# KiCad board SparkFun_GNSS_LG580P_panelized.kicad_pcb (continued)
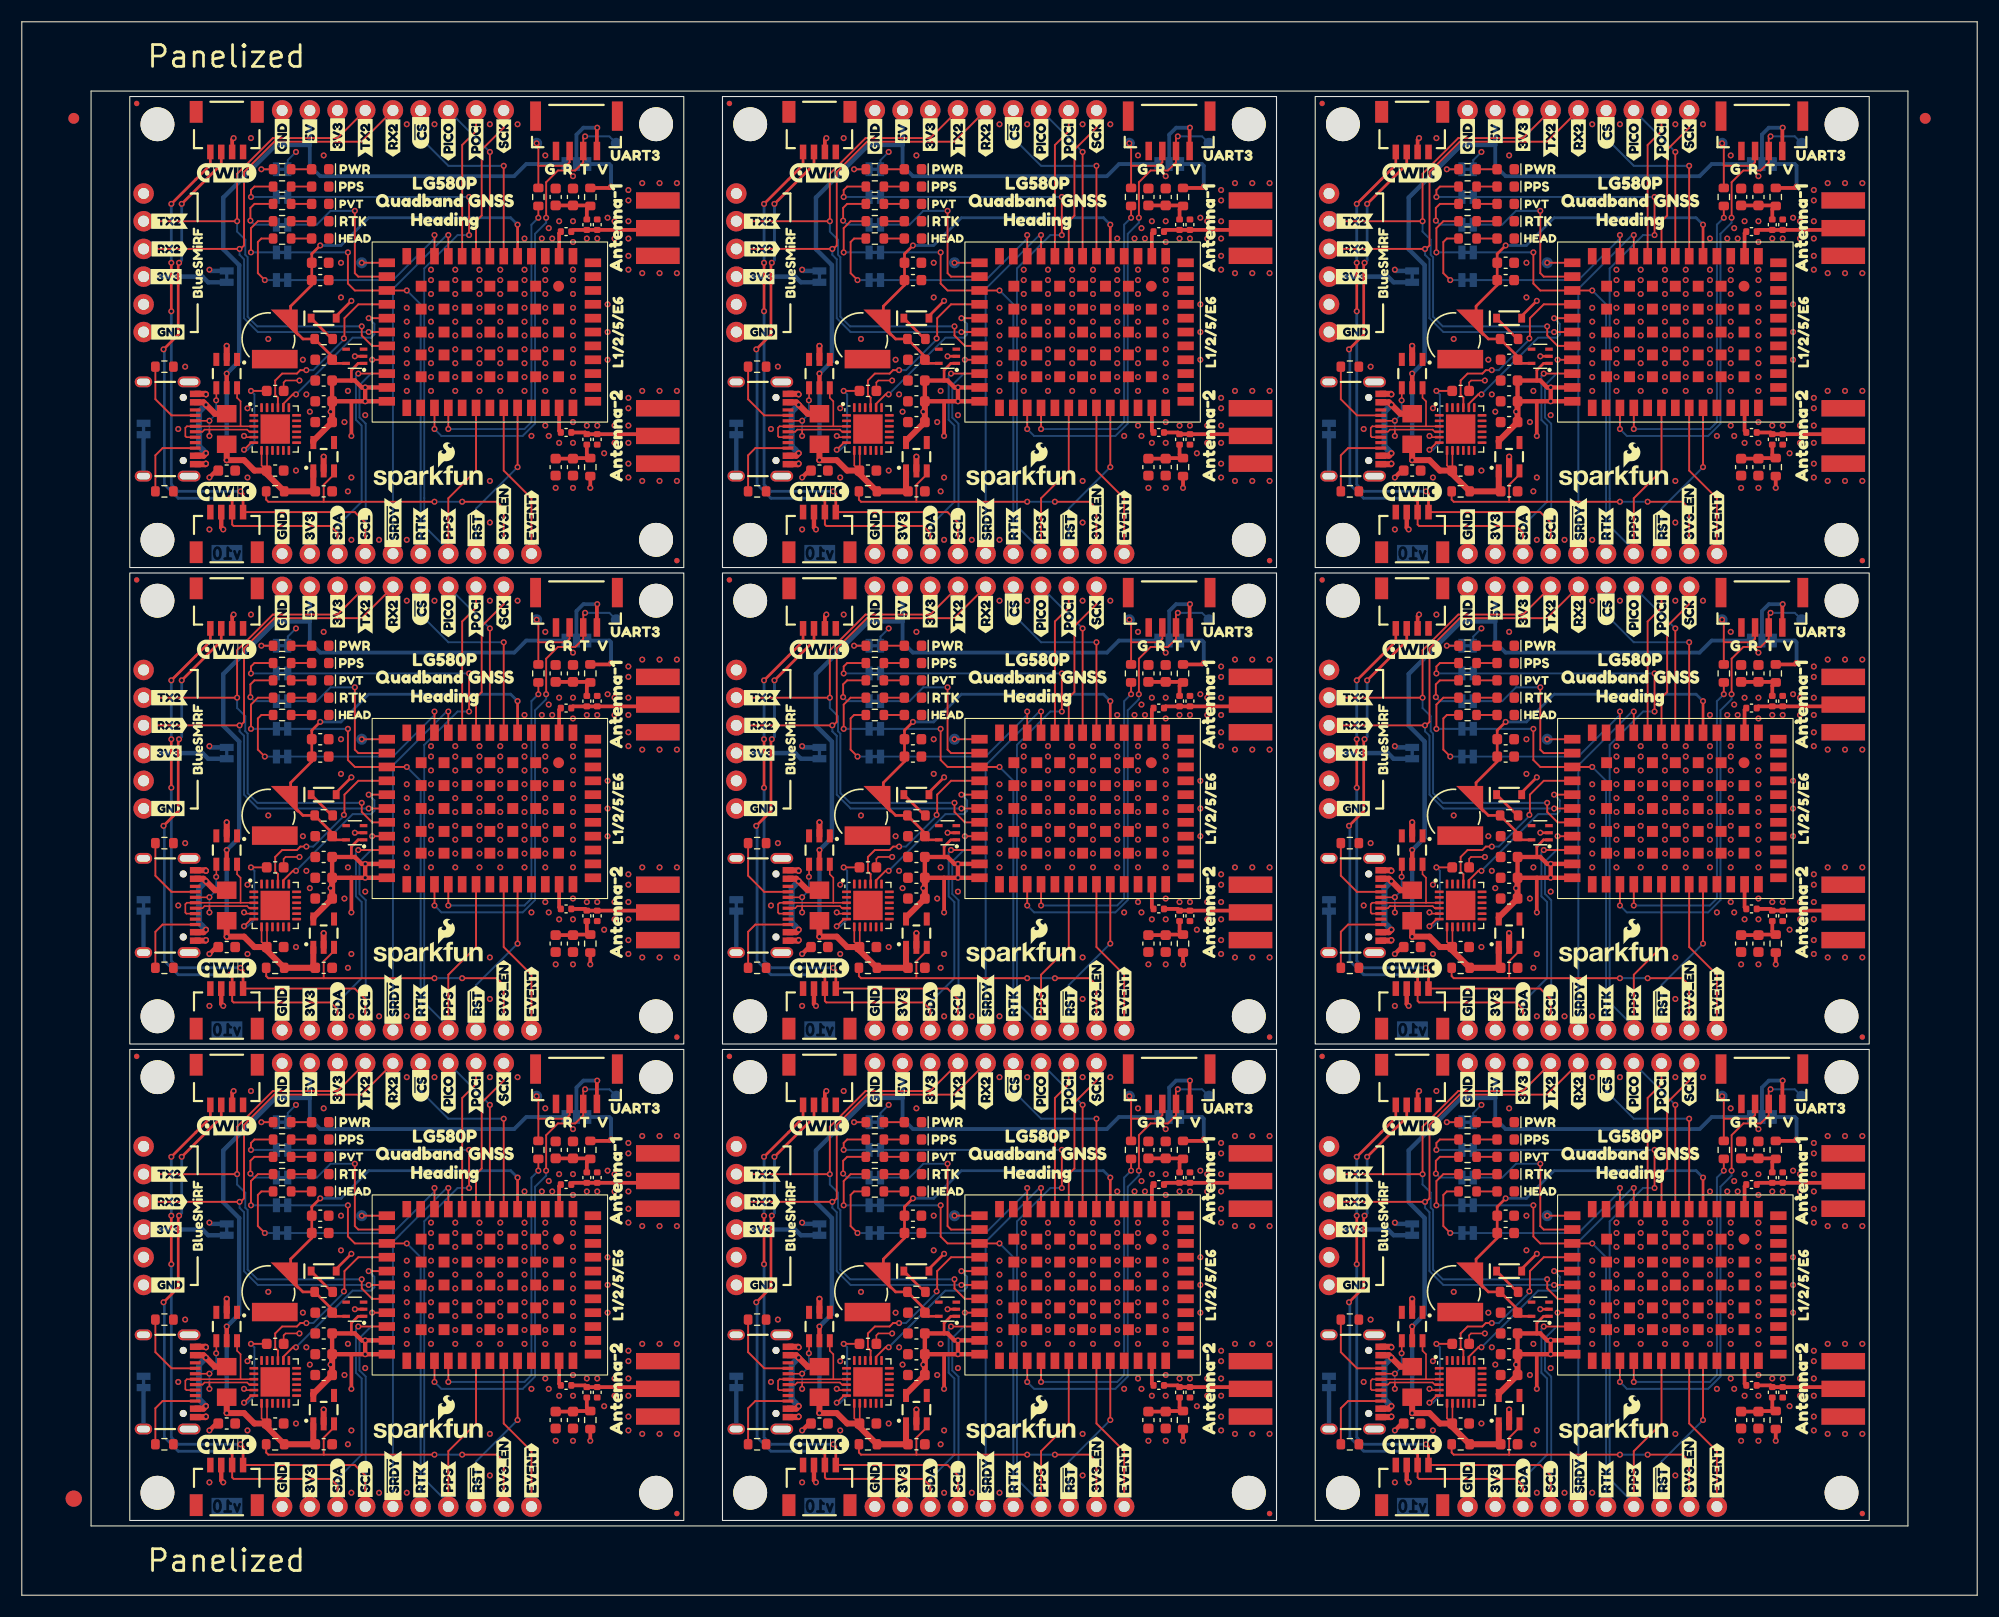
[diagram p0: board, top side]
## Routing (per net, layer and track width the routed paths; a pad name or vN(x,y) marks a point on that pad's centre or on a via; arc(x,y) is an arc through that point) (continued)
ANT_IN1: length 20.9
  Top w0.349: 157.96,122.75 157.96,124.85 C6#8.2 ; C6#5.2 103.62,124.85 103.62,122.75 ; C6.2 49.27,81.17 49.27,79.07 ; U3#9.2 49.27,37.49 C6#9.2 ; C6#4.2 49.27,124.85 49.27,122.75 ; 103.62,79.07 103.62,81.17 C6#3.2 ; 157.96,79.07 157.96,81.17 C6#7.2 ; U3#8.2 157.96,37.49 C6#6.2 ; C6#2.2 103.62,37.49 U3.2
ANT_IN2: length 20.9
  Top w0.349: C16#4.2 103.62,19.39 U3.36 ; U3#2.36 157.96,106.75 C16#7.2 ; U3#7.36 103.62,106.75 C16#5.2 ; U3#6.36 157.96,63.07 C16#8.2 ; U3#4.36 49.27,63.07 C16#2.2 ; C16#6.2 157.96,19.39 U3#8.36 ; U3#5.36 103.62,63.07 C16#3.2 ; C16.2 49.27,106.75 U3#3.36 ; U3#9.36 49.27,19.39 C16#9.2
EVENT: length 129.8
  Top w0.178: J10.6 101.08,13.2 98.54,15.74 U3.32 ; J10#3.6 46.73,56.88 44.19,59.42 44.19,65.17 ; 44.19,21.49 44.19,15.74 46.73,13.2 J10#9.6 ; J10#2.6 155.42,13.2 152.88,15.74 U3#8.32 ; U3#7.32 98.54,103.1 101.08,100.56 J10#6.6 ; J10#8.6 155.42,100.56 152.88,103.1 U3#2.32 ; J10#4.6 46.73,100.56 44.19,103.1 44.19,108.85 ; J10#5.6 101.08,56.88 98.54,59.42 U3#5.32 ; J10#7.6 155.42,56.88 152.88,59.42 U3#6.32
HEADING_STAT: length 155.6
  Top w0.178: v1(92.19,81.01) 92.19,79.07 ; v1(146.53,37.33) U3#8.11 ; v1(92.19,37.33) 92.19,35.39 ; v1(146.53,81.01) 146.53,79.07 ; v1(37.84,81.01) 37.84,79.07 ; v1(37.84,124.69) U3#3.11 ; v1(92.19,124.69) 92.19,122.75 ; v1(37.84,37.33) U3#9.11 ; v1(146.53,124.69) U3#2.11
  Bottom w0.178: JP6#2.2 142.72,76.88 146.53,80.69 v1(146.53,81.01) ; JP6#4.2 142.72,33.2 146.53,37.01 v1(146.53,37.33) ; JP6#7.2 34.03,76.88 37.84,80.69 v1(37.84,81.01) ; JP6#6.2 88.38,76.88 92.19,80.69 v1(92.19,81.01) ; v1(146.53,124.69) 146.53,124.37 142.72,120.56 JP6#3.2 ; v1(37.84,37.33) 37.84,37.01 34.03,33.2 JP6#9.2 ; JP6#8.2 34.03,120.56 37.84,124.37 v1(37.84,124.69) ; v1(92.19,37.33) 92.19,37.01 88.38,33.2 JP6#5.2 ; v1(92.19,124.69) 92.19,124.37 88.38,120.56 JP6.2
PICO: length 134.5
  Top w0.178: 42.92,79.07 v1(42.92,88.63) ; U3#9.7 v1(42.92,44.95) ; U3#2.7 v1(151.61,132.31) ; U3#3.7 v1(42.92,132.31) ; 151.61,79.07 v1(151.61,88.63) ; U3#7.7 v1(97.27,132.31) ; U3.7 v1(97.27,44.95) ; 97.27,79.07 v1(97.27,88.63) ; U3#8.7 v1(151.61,44.95)
  Bottom w0.178: v1(151.61,88.63) J6#6.3 ; v1(97.27,132.31) J6#2.3 ; v1(151.61,44.95) J6#7.3 ; v1(151.61,132.31) J6#8.3 ; v1(97.27,44.95) J6#4.3 ; v1(42.92,44.95) J6#9.3 ; v1(42.92,132.31) J6#3.3 ; v1(97.27,88.63) J6#5.3 ; v1(42.92,88.63) J6.3
POCI: length 125.1
  Top w0.178: J6#9.2 41.65,46.86 40.38,45.59 U3#9.9 ; U3#7.9 94.73,132.94 96,134.22 J6#2.2 ; J6.2 41.65,90.53 40.38,89.27 40.38,79.07 ; U3.9 94.73,45.59 96,46.86 J6#4.2 ; J6#6.2 150.34,90.53 149.07,89.27 149.07,79.07 ; J6#5.2 96,90.53 94.73,89.27 94.73,79.07 ; U3#3.9 40.38,132.94 41.65,134.22 J6#3.2 ; J6#7.2 150.34,46.86 149.07,45.59 U3#8.9 ; U3#2.9 149.07,132.94 150.34,134.22 J6#8.2
PPS: length 602.9
  Top w0.178: 93.46,51.8 93.46,56.88 96,59.42 U3#5.30 ; J10#3.3 39.11,56.88 41.65,59.42 U3#4.30 ; J10#9.3 39.11,13.2 41.65,15.74 U3#9.30 ; U3#7.30 96,103.1 93.46,100.56 93.46,95.48 ; J10#4.3 39.11,100.56 41.65,103.1 U3#3.30 ; v1(95.36,124.69) v1(95.36,128.18) ; 93.46,8.12 93.46,13.2 96,15.74 U3.30 ; J10#7.3 147.8,56.88 150.34,59.42 U3#6.30 ; v1(41.01,81.01) v1(41.01,84.5) ; v1(149.71,124.69) v1(149.71,128.18) ; U3#2.30 150.34,103.1 147.8,100.56 J10#8.3 ; v1(95.36,81.01) v1(95.36,84.5) ; v1(149.71,81.01) v1(149.71,84.5) ; J10#2.3 147.8,13.2 150.34,15.74 U3#8.30 ; v1(41.01,37.33) v1(41.01,40.82) ; v1(41.01,124.69) v1(41.01,128.18) ; v1(95.36,37.33) v1(95.36,40.82) ; v1(149.71,37.33) v1(149.71,40.82)
  Bottom w0.178: v1(149.71,81.01) 148.65,81.01 145.59,77.95 145.59,54.33 147.8,52.12 J10#7.3 ; 93.46,95.48 93.46,95.8 91.25,98.01 91.25,121.63 94.31,124.69 v1(95.36,124.69) ; v1(41.01,40.82) JP3.2 ; v1(41.01,37.33) 39.96,37.33 36.9,34.27 36.9,10.65 39.11,8.44 J10#9.3 ; 93.46,8.12 93.46,8.44 91.25,10.65 91.25,34.27 94.31,37.33 v1(95.36,37.33) ; v1(41.01,84.5) JP3#5.2 ; v1(95.36,84.5) JP3#6.2 ; v1(149.71,124.69) 148.65,124.69 145.59,121.63 145.59,98.01 147.8,95.8 J10#8.3 ; v1(149.71,40.82) JP3#3.2 ; v1(149.71,128.18) JP3#9.2 ; v1(95.36,40.82) JP3#2.2 ; v1(149.71,37.33) 148.65,37.33 145.59,34.27 145.59,10.65 147.8,8.44 J10#2.3 ; v1(149.71,84.5) JP3#8.2 ; 93.46,51.8 93.46,52.12 91.25,54.33 91.25,77.95 94.31,81.01 v1(95.36,81.01) ; v1(41.01,128.18) JP3#4.2 ; v1(41.01,124.69) 39.96,124.69 36.9,121.63 36.9,98.01 39.11,95.8 J10#4.3 ; v1(41.01,81.01) 39.96,81.01 36.9,77.95 36.9,54.33 39.11,52.12 J10#3.3 ; v1(95.36,128.18) JP3#7.2
PVT_STAT: length 139.1
  Top w0.178: 33.47,77.2 30.85,77.2 30.54,77.52 v1(30.54,83.23) ; 142.16,120.88 139.55,120.88 139.23,121.2 v1(139.23,126.91) ; v1(30.54,126.91) 30.54,121.2 30.85,120.88 33.47,120.88 ; 87.82,120.88 85.2,120.88 84.88,121.2 v1(84.88,126.91) ; v1(139.23,83.23) 139.23,77.52 139.55,77.2 U3#6.15 ; v1(84.88,39.55) 84.88,33.84 85.2,33.52 U3.15 ; v1(84.88,83.23) 84.88,77.52 85.2,77.2 U3#5.15 ; v1(30.54,39.55) 30.54,33.84 30.85,33.52 33.47,33.52 ; U3#8.15 139.55,33.52 139.23,33.84 v1(139.23,39.55)
  Bottom w0.178: v1(139.23,126.91) 137.01,126.91 135.74,125.64 JP8#8.2 ; v1(84.88,83.23) 82.66,83.23 81.39,81.96 JP8#6.2 ; JP8#7.2 27.04,81.96 28.31,83.23 v1(30.54,83.23) ; JP8#3.2 27.04,125.64 28.31,126.91 v1(30.54,126.91) ; v1(84.88,39.55) 82.66,39.55 81.39,38.28 JP8#2.2 ; v1(30.54,39.55) 28.31,39.55 27.04,38.28 JP8.2 ; JP8#5.2 135.74,81.96 137.01,83.23 v1(139.23,83.23) ; v1(139.23,39.55) 137.01,39.55 135.74,38.28 JP8#4.2 ; v1(84.88,126.91) 82.66,126.91 81.39,125.64 JP8#9.2
RTK_STAT: length 348.2
  Top w0.178: v1(138.6,79.42) 138.6,76.56 139.23,75.93 v1(143.99,75.93) ; v1(84.25,79.42) 84.25,76.56 84.88,75.93 v1(89.65,75.93) ; v1(35.3,32.25) 30.54,32.25 29.9,32.89 v1(29.9,35.74) ; v1(35.3,119.61) 30.54,119.61 29.9,120.25 v1(29.9,123.1) ; v1(143.99,32.25) U3#8.16 139.23,32.25 138.6,32.89 v1(138.6,35.74) ; v1(29.9,79.42) 29.9,76.56 30.54,75.93 v1(35.3,75.93) ; v1(143.99,119.61) U3#2.16 139.23,119.61 138.6,120.25 v1(138.6,123.1) ; v1(89.65,119.61) U3#7.16 84.88,119.61 84.25,120.25 v1(84.25,123.1) ; v1(84.25,35.74) 84.25,32.89 84.88,32.25 U3.16 v1(89.65,32.25)
  Bottom w0.178: v1(84.25,79.42) JP5#5.2 ; v1(138.6,35.74) JP5#6.2 ; J10#3.2 36.57,74.66 v1(35.3,75.93) ; v1(89.65,119.61) 90.92,118.34 J10#6.2 ; v1(35.3,119.61) 36.57,118.34 J10#4.2 ; v1(143.99,119.61) 145.26,118.34 145.26,95.48 ; v1(84.25,123.1) JP5#4.2 ; J10#9.2 36.57,30.98 v1(35.3,32.25) ; v1(138.6,79.42) JP5#3.2 ; J10.2 90.92,30.98 v1(89.65,32.25) ; 145.26,51.8 145.26,74.66 v1(143.99,75.93) ; v1(29.9,35.74) JP5#9.2 ; 145.26,8.12 145.26,30.98 v1(143.99,32.25) ; v1(29.9,123.1) JP5.2 ; v1(84.25,35.74) JP5#2.2 ; J10#5.2 90.92,74.66 v1(89.65,75.93) ; v1(29.9,79.42) JP5#7.2 ; v1(138.6,123.1) JP5#8.2
RXD1: length 151.9
  Top w0.178: v1(26.09,112.31) 25.54,112.31 25.22,111.99 23.87,111.99 23.23,111.36 23.23,110.04 23.48,109.79 U4#4.21 ; 142.16,118.34 139.55,118.34 138.28,117.07 138.28,115.27 v1(138.23,115.22) ; 33.47,30.98 30.85,30.98 29.58,29.71 29.58,27.91 v1(29.53,27.86) ; 33.47,118.34 30.85,118.34 29.58,117.07 29.58,115.27 v1(29.53,115.22) ; v1(80.44,112.31) 79.89,112.31 79.57,111.99 78.22,111.99 77.58,111.36 77.58,110.04 77.83,109.79 U4#3.21 ; U3#8.17 139.55,30.98 138.28,29.71 138.28,27.91 v1(138.23,27.86) ; U4.21 77.83,22.43 77.58,22.68 77.58,24 78.22,24.63 79.57,24.63 79.89,24.95 v1(80.44,24.95) ; U4#2.21 23.48,66.11 23.23,66.36 23.23,67.68 23.87,68.31 25.22,68.31 25.54,68.63 v1(26.09,68.63) ; v1(134.79,24.95) 134.24,24.95 133.92,24.63 132.56,24.63 131.93,24 131.93,22.68 132.18,22.43 U4#7.21 ; v1(83.88,115.22) 83.93,115.27 83.93,117.07 85.2,118.34 87.82,118.34 ; U3#6.17 139.55,74.66 138.28,73.39 138.28,71.59 v1(138.23,71.54) ; U4#8.21 132.18,109.79 131.93,110.04 131.93,111.36 132.56,111.99 133.92,111.99 134.24,112.31 v1(134.79,112.31) ; U4#5.21 77.83,66.11 77.58,66.36 77.58,67.68 78.22,68.31 79.57,68.31 79.89,68.63 v1(80.44,68.63) ; U4#6.21 132.18,66.11 131.93,66.36 131.93,67.68 132.56,68.31 133.92,68.31 134.24,68.63 v1(134.79,68.63) ; v1(26.09,24.95) 25.54,24.95 25.22,24.63 23.87,24.63 23.23,24 23.23,22.68 23.48,22.43 U4#9.21 ; v1(29.53,71.54) 29.58,71.59 29.58,73.39 30.85,74.66 33.47,74.66 ; v1(83.88,71.54) 83.93,71.59 83.93,73.39 85.2,74.66 U3#5.17 ; v1(83.88,27.86) 83.93,27.91 83.93,29.71 85.2,30.98 U3.17
  Bottom w0.178: v1(138.23,71.54) 138.28,71.48 135.42,68.63 v1(134.79,68.63) ; v1(80.44,112.31) 81.07,112.31 83.93,115.17 v1(83.88,115.22) ; v1(26.09,112.31) 26.73,112.31 29.58,115.17 v1(29.53,115.22) ; v1(134.79,112.31) 135.42,112.31 138.28,115.17 v1(138.23,115.22) ; v1(134.79,24.95) 135.42,24.95 138.28,27.81 v1(138.23,27.86) ; v1(80.44,68.63) 81.07,68.63 83.93,71.48 v1(83.88,71.54) ; v1(83.88,27.86) 83.93,27.81 81.07,24.95 v1(80.44,24.95) ; v1(29.53,27.86) 29.58,27.81 26.73,24.95 v1(26.09,24.95) ; v1(29.53,71.54) 29.58,71.48 26.73,68.63 v1(26.09,68.63)
RXD2: length 469.8
  Top w0.178: J2#9.3 20.06,36.06 20.38,36.38 20.38,43.11 23.15,45.89 31.16,45.89 J6#9.5 ; 33.47,72.12 v1(31.81,72.12) ; J2.3 74.41,36.06 74.72,36.38 74.72,43.11 77.5,45.89 85.51,45.89 J6#4.5 ; J2#7.3 128.75,79.74 129.07,80.06 129.07,86.79 131.85,89.57 139.85,89.57 J6#6.5 ; J6#5.5 85.51,89.57 77.5,89.57 74.72,86.79 74.72,80.06 74.41,79.74 J2#4.3 ; U3#6.19 v1(140.5,72.12) ; U3#2.19 v1(140.5,115.8) ; 11.17,123.42 20.06,123.42 20.38,123.74 20.38,130.47 23.15,133.25 31.16,133.25 J6#3.5 ; U3.19 v1(86.15,28.44) ; J2#3.3 20.06,79.74 20.38,80.06 20.38,86.79 23.15,89.57 31.16,89.57 J6.5 ; 119.86,123.42 128.75,123.42 129.07,123.74 129.07,130.47 131.85,133.25 139.85,133.25 J6#8.5 ; 33.47,115.8 v1(31.81,115.8) ; 65.52,123.42 74.41,123.42 74.72,123.74 74.72,130.47 77.5,133.25 85.51,133.25 J6#2.5 ; J2#6.3 128.75,36.06 129.07,36.38 129.07,43.11 131.85,45.89 139.85,45.89 J6#7.5 ; 33.47,28.44 v1(31.81,28.44) ; U3#5.19 v1(86.15,72.12) ; U3#8.19 v1(140.5,28.44) ; U3#7.19 v1(86.15,115.8)
  Bottom w0.178: v1(140.5,28.44) 130.34,28.44 129.07,29.71 129.07,35.11 128.66,35.52 v1(128.66,36.06) ; v1(86.15,28.44) 75.99,28.44 74.72,29.71 74.72,35.11 74.32,35.52 v1(74.32,36.06) ; v1(128.66,79.74) 128.66,79.2 129.07,78.79 129.07,73.39 130.34,72.12 v1(140.5,72.12) ; v1(74.32,123.42) 74.32,122.88 74.72,122.47 74.72,117.07 75.99,115.8 v1(86.15,115.8) ; v1(74.32,79.74) 74.32,79.2 74.72,78.79 74.72,73.39 75.99,72.12 v1(86.15,72.12) ; v1(128.66,123.42) 128.66,122.88 129.07,122.47 129.07,117.07 130.34,115.8 v1(140.5,115.8) ; v1(31.81,72.12) 21.65,72.12 20.38,73.39 20.38,78.79 19.97,79.2 v1(19.97,79.74) ; v1(31.81,115.8) 21.65,115.8 20.38,117.07 20.38,122.47 19.97,122.88 v1(19.97,123.42) ; v1(31.81,28.44) 21.65,28.44 20.38,29.71 20.38,35.11 19.97,35.52 v1(19.97,36.06)
RXD3: length 269.1
  Top w0.178: U3#5.28 v1(93.46,63.23) ; U3#6.28 v1(147.8,63.23) ; R8.2 v1(101.71,82.6) ; R8#4.2 v1(156.06,126.28) ; R8#5.2 v1(101.71,38.92) ; R8#3.2 v1(47.36,82.6) ; U3#4.28 v1(39.11,63.23) ; U3#2.28 v1(147.8,106.91) ; R8#8.2 v1(156.06,82.6) ; U3#3.28 v1(39.11,106.91) ; U3#7.28 v1(93.46,106.91) ; U3#8.28 v1(147.8,19.55) ; R8#6.2 v1(101.71,126.28) ; R8#2.2 v1(47.36,126.28) ; R8#9.2 v1(47.36,38.92) ; R8#7.2 v1(156.06,38.92) ; U3.28 v1(93.46,19.55) ; U3#9.28 v1(39.11,19.55)
  Bottom w0.178: v1(93.46,63.23) 100.44,63.23 101.08,63.87 101.08,81.96 v1(101.71,82.6) ; v1(101.71,38.92) 101.08,38.28 101.08,20.19 100.44,19.55 v1(93.46,19.55) ; v1(156.06,126.28) 155.42,125.64 155.42,107.55 154.79,106.91 v1(147.8,106.91) ; v1(47.36,82.6) 46.73,81.96 46.73,63.87 46.09,63.23 v1(39.11,63.23) ; v1(147.8,63.23) 154.79,63.23 155.42,63.87 155.42,81.96 v1(156.06,82.6) ; v1(47.36,126.28) 46.73,125.64 46.73,107.55 46.09,106.91 v1(39.11,106.91) ; v1(147.8,19.55) 154.79,19.55 155.42,20.19 155.42,38.28 v1(156.06,38.92) ; v1(47.36,38.92) 46.73,38.28 46.73,20.19 46.09,19.55 v1(39.11,19.55) ; v1(101.71,126.28) 101.08,125.64 101.08,107.55 100.44,106.91 v1(93.46,106.91)
SCK: length 129.8
  Top w0.178: U3#8.8 150.34,38.6 150.87,39.12 150.87,45.15 152.88,47.17 J6#7.1 ; J6#8.1 152.88,134.53 150.87,132.51 150.87,126.48 150.34,125.96 U3#2.8 ; 96,79.07 96,82.28 96.52,82.8 96.52,88.83 98.54,90.85 J6#5.1 ; 41.65,79.07 41.65,82.28 42.17,82.8 42.17,88.83 44.19,90.85 J6.1 ; U3#3.8 41.65,125.96 42.17,126.48 42.17,132.51 44.19,134.53 J6#3.1 ; U3.8 96,38.6 96.52,39.12 96.52,45.15 98.54,47.17 J6#4.1 ; U3#7.8 96,125.96 96.52,126.48 96.52,132.51 98.54,134.53 J6#2.1 ; U3#9.8 41.65,38.6 42.17,39.12 42.17,45.15 44.19,47.17 J6#9.1 ; 150.34,79.07 150.34,82.28 150.87,82.8 150.87,88.83 152.88,90.85 J6#6.1
SCL: length 674
  Top w0.178: U3#6.21 v1(140.82,69.58) ; J4#9.4 30.54,11.93 31.49,10.98 J9#9.4 ; J9.4 140.18,10.98 139.23,11.93 J4#7.4 ; 33.47,25.9 v1(32.12,25.9) ; J9#5.4 140.18,98.34 139.23,99.29 J4#8.4 ; J4#6.4 84.88,55.61 85.84,54.66 J9#2.4 ; 87.82,113.26 v1(86.47,113.26) ; J4#2.4 30.54,55.61 31.49,54.66 J9#7.4 ; J9#8.4 31.49,98.34 30.54,99.29 J4.4 ; J9#3.4 85.84,98.34 84.88,99.29 J4#5.4 ; 33.47,69.58 v1(32.12,69.58) ; J9#6.4 140.18,54.66 139.23,55.61 J4#3.4 ; 142.16,25.9 v1(140.82,25.9) ; 87.82,25.9 v1(86.47,25.9) ; J9#4.4 85.84,10.98 84.88,11.93 J4#4.4 ; 33.47,113.26 v1(32.12,113.26) ; 142.16,113.26 v1(140.82,113.26) ; U3#5.21 v1(86.47,69.58)
  Top w0.254: J7#4.4 71.64,43.77 v1(68.06,40.19) ; J7#8.4 125.98,43.77 v1(122.4,40.19) ; v1(74.41,101.2) 74.64,100.97 J4#5.4 ; v1(68.06,78.47) v1(68.06,74.03) ; v1(68.06,34.79) v1(68.06,30.34) ; J4#7.4 128.98,13.61 v1(128.75,13.84) ; v1(13.71,34.79) v1(13.71,30.34) ; J7#6.4 125.98,87.45 v1(122.4,83.87) ; v1(122.4,127.55) 125.98,131.13 J7#7.4 ; J4#2.4 20.29,57.28 v1(20.06,57.52) ; J7#5.4 71.64,87.45 v1(68.06,83.87) ; v1(122.4,34.79) v1(122.4,30.34) ; v1(13.71,83.87) 17.29,87.45 J7#2.4 ; J4#9.4 20.29,13.61 v1(20.06,13.84) ; J4.4 20.29,100.97 v1(20.06,101.2) ; J4#3.4 128.98,57.28 v1(128.75,57.52) ; v1(128.75,101.2) 128.98,100.97 J4#8.4 ; J7#9.4 17.29,43.77 v1(13.71,40.19) ; J4#4.4 74.64,13.61 v1(74.41,13.84) ; v1(13.71,78.47) v1(13.71,74.03) ; J7.4 17.29,131.13 v1(13.71,127.55) ; v1(13.71,122.15) v1(13.71,117.7) ; v1(74.41,57.52) 74.64,57.28 J4#6.4 ; v1(68.06,122.15) v1(68.06,117.7) ; v1(122.4,122.15) v1(122.4,117.7) ; v1(68.06,127.55) 71.64,131.13 J7#3.4 ; v1(122.4,78.47) v1(122.4,74.03)
  Bottom w0.178: J9#6.4 140.23,51.85 140.23,63.72 139.66,64.28 139.66,67.26 140.82,68.41 v1(140.82,69.58) ; J9#3.4 85.88,95.53 85.88,107.4 85.31,107.96 85.31,110.94 86.47,112.09 v1(86.47,113.26) ; J9#4.4 85.88,8.17 85.88,20.04 85.31,20.6 85.31,23.58 86.47,24.73 v1(86.47,25.9) ; J9#7.4 31.54,51.85 31.54,63.72 30.97,64.28 30.97,67.26 32.12,68.41 v1(32.12,69.58) ; v1(140.82,113.26) 140.82,112.09 139.66,110.94 139.66,107.96 140.23,107.4 140.23,95.53 J9#5.4 ; J9#8.4 31.54,95.53 31.54,107.4 30.97,107.96 30.97,110.94 32.12,112.09 v1(32.12,113.26) ; v1(140.82,25.9) 140.82,24.73 139.66,23.58 139.66,20.6 140.23,20.04 140.23,8.17 J9.4 ; J9#9.4 31.54,8.17 31.54,20.04 30.97,20.6 30.97,23.58 32.12,24.73 v1(32.12,25.9) ; v1(86.47,69.58) 86.47,68.41 85.31,67.26 85.31,64.28 85.88,63.72 85.88,51.85 J9#2.4
  Bottom w0.254: v1(68.06,117.7) 68.06,101.83 68.69,101.2 v1(74.41,101.2) ; v1(13.71,74.03) 13.71,58.15 14.34,57.52 v1(20.06,57.52) ; v1(20.06,101.2) 14.34,101.2 13.71,101.83 v1(13.71,117.7) ; v1(74.41,13.84) 68.69,13.84 68.06,14.47 v1(68.06,30.34) ; v1(122.4,83.87) v1(122.4,78.47) ; v1(13.71,30.34) 13.71,14.47 14.34,13.84 v1(20.06,13.84) ; v1(68.06,83.87) v1(68.06,78.47) ; v1(122.4,74.03) 122.4,58.15 123.04,57.52 v1(128.75,57.52) ; v1(68.06,74.03) 68.06,58.15 68.69,57.52 v1(74.41,57.52) ; v1(68.06,127.55) v1(68.06,122.15) ; v1(122.4,30.34) 122.4,14.47 123.04,13.84 v1(128.75,13.84) ; v1(13.71,127.55) v1(13.71,122.15) ; v1(68.06,40.19) v1(68.06,34.79) ; v1(122.4,117.7) 122.4,101.83 123.04,101.2 v1(128.75,101.2) ; v1(13.71,83.87) v1(13.71,78.47) ; v1(122.4,40.19) v1(122.4,34.79) ; v1(13.71,40.19) v1(13.71,34.79) ; v1(122.4,127.55) v1(122.4,122.15)
SDA: length 666.6
  Top w0.178: J9#8.3 28.95,97.39 28.31,98.02 19.42,98.02 19.29,98.16 J4.3 ; J4#9.3 19.29,10.8 19.42,10.66 28.31,10.66 28.95,10.03 J9#9.3 ; 33.47,24.63 v1(30.85,24.63) ; 83.3,8.12 83.3,10.03 82.66,10.66 73.77,10.66 73.64,10.8 J4#4.3 ; 33.47,68.31 v1(30.85,68.31) ; U3#8.22 v1(139.55,24.63) ; J4#5.3 73.64,98.16 73.77,98.02 82.66,98.02 83.3,97.39 83.3,95.48 ; 83.3,51.8 83.3,53.7 82.66,54.34 73.77,54.34 73.64,54.48 J4#6.3 ; U3#5.22 v1(85.2,68.31) ; U3.22 v1(85.2,24.63) ; J4#7.3 127.98,10.8 128.12,10.66 137.01,10.66 137.64,10.03 J9.3 ; J4#3.3 127.98,54.48 128.12,54.34 137.01,54.34 137.64,53.7 J9#6.3 ; J9#5.3 137.64,97.39 137.01,98.02 128.12,98.02 127.98,98.16 J4#8.3 ; J4#2.3 19.29,54.48 19.42,54.34 28.31,54.34 28.95,53.7 J9#7.3 ; U3#6.22 v1(139.55,68.31) ; U3#2.22 v1(139.55,111.99) ; 33.47,111.99 v1(30.85,111.99) ; U3#7.22 v1(85.2,111.99)
  Top w0.254: J4#2.3 19.29,56.7 v1(19.11,56.88) ; J7#9.3 18.29,43.81 v1(14.66,40.19) ; v1(127.8,56.88) 127.98,56.7 J4#3.3 ; v1(19.11,100.56) 19.29,100.38 J4.3 ; J7#3.3 72.64,131.18 v1(69.01,127.55) ; v1(69.01,83.87) 72.64,87.5 J7#5.3 ; v1(123.12,34.79) 123.04,34.79 123.04,28.2 v1(121.69,26.85) ; v1(14.42,34.79) 14.34,34.79 14.34,28.2 v1(13,26.85) ; v1(67.34,114.21) 68.69,115.56 68.69,122.15 v1(68.77,122.15) ; v1(14.66,83.87) 18.29,87.5 J7#2.3 ; v1(14.42,78.47) 14.34,78.47 14.34,71.88 v1(13,70.53) ; J4#4.3 73.64,13.02 v1(73.45,13.2) ; v1(19.11,13.2) 19.29,13.02 J4#9.3 ; v1(123.12,122.15) 123.04,122.15 123.04,115.56 v1(121.69,114.21) ; v1(73.45,100.56) 73.64,100.38 J4#5.3 ; v1(123.36,83.87) 126.98,87.5 J7#6.3 ; v1(127.8,13.2) 127.98,13.02 J4#7.3 ; J4#6.3 73.64,56.7 v1(73.45,56.88) ; v1(123.36,127.55) 126.98,131.18 J7#7.3 ; v1(68.77,34.79) 68.69,34.79 68.69,28.2 v1(67.34,26.85) ; v1(67.34,70.53) 68.69,71.88 68.69,78.47 v1(68.77,78.47) ; v1(14.42,122.15) 14.34,122.15 14.34,115.56 v1(13,114.21) ; J4#8.3 127.98,100.38 v1(127.8,100.56) ; v1(69.01,40.19) 72.64,43.81 J7#4.3 ; J7.3 18.29,131.18 v1(14.66,127.55) ; v1(123.36,40.19) 126.98,43.81 J7#8.3 ; v1(121.69,70.53) 123.04,71.88 123.04,78.47 v1(123.12,78.47)
  Bottom w0.178: v1(85.2,68.31) 84.98,68.09 84.98,64.07 85.51,63.55 85.51,56.56 83.61,54.67 83.61,54.66 83.3,54.34 83.3,51.8 ; v1(139.55,24.63) 139.33,24.41 139.33,20.39 139.85,19.87 139.85,12.88 137.96,10.99 137.96,10.98 137.64,10.66 J9.3 ; v1(139.55,111.99) 139.33,111.77 139.33,107.75 139.85,107.23 139.85,100.24 137.96,98.35 137.96,98.34 137.64,98.02 J9#5.3 ; v1(85.2,111.99) 84.98,111.77 84.98,107.75 85.51,107.23 85.51,100.24 83.61,98.35 83.61,98.34 83.3,98.02 83.3,95.48 ; J9#8.3 28.95,98.02 29.27,98.34 29.27,98.35 31.16,100.24 31.16,107.23 30.64,107.75 30.64,111.77 v1(30.85,111.99) ; J9#7.3 28.95,54.34 29.27,54.66 29.27,54.67 31.16,56.56 31.16,63.55 30.64,64.07 30.64,68.09 v1(30.85,68.31) ; v1(30.85,24.63) 30.64,24.41 30.64,20.39 31.16,19.87 31.16,12.88 29.27,10.99 29.27,10.98 28.95,10.66 J9#9.3 ; v1(139.55,68.31) 139.33,68.09 139.33,64.07 139.85,63.55 139.85,56.56 137.96,54.67 137.96,54.66 137.64,54.34 J9#6.3 ; v1(85.2,24.63) 84.98,24.41 84.98,20.39 85.51,19.87 85.51,12.88 83.61,10.99 83.61,10.98 83.3,10.66 83.3,8.12
  Bottom w0.254: v1(69.01,40.19) 69.01,35.03 v1(68.77,34.79) ; v1(73.45,56.88) 68.69,56.88 67.42,58.15 67.42,70.53 v1(67.34,70.53) ; v1(123.12,122.15) 123.36,122.39 v1(123.36,127.55) ; v1(14.42,78.47) 14.66,78.71 v1(14.66,83.87) ; v1(14.42,34.79) 14.66,35.03 v1(14.66,40.19) ; v1(69.01,127.55) 69.01,122.39 v1(68.77,122.15) ; v1(73.45,13.2) 68.69,13.2 67.42,14.47 67.42,26.85 v1(67.34,26.85) ; v1(13,70.53) 13.07,70.53 13.07,58.15 14.34,56.88 v1(19.11,56.88) ; v1(121.69,26.85) 121.77,26.85 121.77,14.47 123.04,13.2 v1(127.8,13.2) ; v1(19.11,13.2) 14.34,13.2 13.07,14.47 13.07,26.85 v1(13,26.85) ; v1(19.11,100.56) 14.34,100.56 13.07,101.83 13.07,114.21 v1(13,114.21) ; v1(68.77,78.47) 69.01,78.71 v1(69.01,83.87) ; v1(67.34,114.21) 67.42,114.21 67.42,101.83 68.69,100.56 v1(73.45,100.56) ; v1(121.69,114.21) 121.77,114.21 121.77,101.83 123.04,100.56 v1(127.8,100.56) ; v1(14.66,127.55) 14.66,122.39 v1(14.42,122.15) ; v1(121.69,70.53) 121.77,70.53 121.77,58.15 123.04,56.88 v1(127.8,56.88) ; v1(123.36,40.19) 123.36,35.03 v1(123.12,34.79) ; v1(123.36,83.87) 123.36,78.71 v1(123.12,78.47)
TXD1: length 132.2
  Top w0.178: v1(79.49,66.41) 79.2,66.41 78.33,65.54 U4#5.20 ; U4#6.20 132.68,65.54 133.55,66.41 v1(133.83,66.41) ; U4#7.20 132.68,21.86 133.55,22.73 v1(133.83,22.73) ; v1(25.14,22.73) 24.85,22.73 23.98,21.86 U4#9.20 ; 87.82,73.39 v1(86.15,73.39) ; U3.18 v1(86.15,29.71) ; 33.47,29.71 v1(31.81,29.71) ; U4#8.20 132.68,109.22 133.55,110.09 v1(133.83,110.09) ; U3#2.18 v1(140.5,117.07) ; 142.16,73.39 v1(140.5,73.39) ; U3#8.18 v1(140.5,29.71) ; 33.47,117.07 v1(31.81,117.07) ; U4.20 78.33,21.86 79.2,22.73 v1(79.49,22.73) ; U4#3.20 78.33,109.22 79.2,110.09 v1(79.49,110.09) ; 33.47,73.39 v1(31.81,73.39) ; U4#4.20 23.98,109.22 24.85,110.09 v1(25.14,110.09) ; U3#7.18 v1(86.15,117.07) ; v1(25.14,66.41) 24.85,66.41 23.98,65.54 U4#2.20
  Bottom w0.178: v1(86.15,29.71) 86.67,29.19 86.67,28.22 86.37,27.92 84.68,27.92 v1(79.49,22.73) ; v1(140.5,117.07) 141.02,116.55 141.02,115.58 140.72,115.28 139.03,115.28 v1(133.83,110.09) ; v1(79.49,66.41) 84.68,71.6 86.37,71.6 86.67,71.9 86.67,72.87 v1(86.15,73.39) ; v1(25.14,22.73) 30.33,27.92 32.02,27.92 32.33,28.22 32.33,29.19 v1(31.81,29.71) ; v1(79.49,110.09) 84.68,115.28 86.37,115.28 86.67,115.58 86.67,116.55 v1(86.15,117.07) ; v1(25.14,66.41) 30.33,71.6 32.02,71.6 32.33,71.9 32.33,72.87 v1(31.81,73.39) ; v1(31.81,117.07) 32.33,116.55 32.33,115.58 32.02,115.28 30.33,115.28 v1(25.14,110.09) ; v1(140.5,29.71) 141.02,29.19 141.02,28.22 140.72,27.92 139.03,27.92 v1(133.83,22.73) ; v1(133.83,66.41) 139.03,71.6 140.72,71.6 141.02,71.9 141.02,72.87 v1(140.5,73.39)
TXD2: length 455.3
  Top w0.178: U3#6.20 140.82,70.85 139.87,71.8 139.87,72.64 v1(139.86,72.64) ; 33.47,27.17 32.12,27.17 31.17,28.12 31.17,28.96 v1(31.17,28.96) ; J6#9.6 28.95,46.22 23.02,46.22 19.74,42.94 v1(19.74,38.6) 11.17,38.6 ; v1(85.52,72.64) 85.52,72.64 85.52,71.8 86.47,70.85 U3#5.20 ; 65.52,38.6 v1(74.09,38.6) 74.09,42.94 77.36,46.22 83.3,46.22 J6#4.6 ; v1(139.86,116.32) 139.87,116.32 139.87,115.48 140.82,114.53 U3#2.20 ; J6#5.6 83.3,89.9 77.36,89.9 74.09,86.62 v1(74.09,82.28) J2#4.2 ; 11.17,125.96 v1(19.74,125.96) 19.74,130.3 23.02,133.58 28.95,133.58 J6#3.6 ; 33.47,114.53 32.12,114.53 31.17,115.48 31.17,116.32 v1(31.17,116.32) ; U3#8.20 140.82,27.17 139.87,28.12 139.87,28.96 v1(139.86,28.96) ; v1(85.52,28.96) 85.52,28.96 85.52,28.12 86.47,27.17 U3.20 ; 119.86,38.6 v1(128.44,38.6) 128.44,42.94 131.71,46.22 137.64,46.22 J6#7.6 ; 65.52,125.96 v1(74.09,125.96) 74.09,130.3 77.36,133.58 83.3,133.58 J6#2.6 ; J6.6 28.95,89.9 23.02,89.9 19.74,86.62 v1(19.74,82.28) J2#3.2 ; 119.86,125.96 v1(128.44,125.96) 128.44,130.3 131.71,133.58 137.64,133.58 J6#8.6 ; J2#7.2 v1(128.44,82.28) 128.44,86.62 131.71,89.9 137.64,89.9 J6#6.6 ; U3#7.20 86.47,114.53 85.52,115.48 85.52,116.32 v1(85.52,116.32) ; v1(31.17,72.64) 31.17,72.64 31.17,71.8 32.12,70.85 33.47,70.85
  Bottom w0.178: v1(19.74,38.6) 19.74,37.65 20.49,36.9 20.49,35.53 20.71,35.31 20.71,29.85 21.59,28.96 v1(31.17,28.96) ; v1(128.44,82.28) 128.44,81.33 129.19,80.58 129.19,79.21 129.4,78.99 129.4,73.53 130.29,72.64 v1(139.86,72.64) ; v1(74.09,125.96) 74.09,125.01 74.84,124.26 74.84,122.89 75.05,122.67 75.05,117.21 75.94,116.32 v1(85.52,116.32) ; v1(74.09,38.6) 74.09,37.65 74.84,36.9 74.84,35.53 75.05,35.31 75.05,29.85 75.94,28.96 v1(85.52,28.96) ; v1(85.52,72.64) 75.94,72.64 75.05,73.53 75.05,78.99 74.84,79.21 74.84,80.58 74.09,81.33 v1(74.09,82.28) ; v1(31.17,116.32) 21.59,116.32 20.71,117.21 20.71,122.67 20.49,122.89 20.49,124.26 19.74,125.01 v1(19.74,125.96) ; v1(128.44,38.6) 128.44,37.65 129.19,36.9 129.19,35.53 129.4,35.31 129.4,29.85 130.29,28.96 v1(139.86,28.96) ; v1(31.17,72.64) 21.59,72.64 20.71,73.53 20.71,78.99 20.49,79.21 20.49,80.58 19.74,81.33 v1(19.74,82.28) ; v1(128.44,125.96) 128.44,125.01 129.19,124.26 129.19,122.89 129.4,122.67 129.4,117.21 130.29,116.32 v1(139.86,116.32)
TXD3: length 397.6
  Top w0.178: v1(51.65,46.38) 51.48,46.21 J8#9.2 51.48,43.99 50.74,43.25 49.15,43.25 48.08,42.17 48.08,38.92 v1(48.08,38.92) ; v1(51.65,90.06) 51.48,89.89 J8.2 51.48,87.67 50.74,86.93 49.15,86.93 48.08,85.85 48.08,82.6 v1(48.08,82.6) ; 92.19,108.85 v1(92.19,106.91) ; v1(48.08,126.28) 48.08,126.28 48.08,129.53 49.15,130.61 50.74,130.61 51.48,131.35 J8#4.2 51.48,133.57 v1(51.65,133.74) ; v1(102.42,126.28) 102.43,126.28 102.43,129.53 103.5,130.61 105.09,130.61 105.83,131.35 J8#2.2 105.83,133.57 v1(106,133.74) ; v1(102.42,38.92) 102.43,38.92 102.43,42.17 103.5,43.25 105.09,43.25 105.83,43.99 J8#7.2 105.83,46.21 v1(106,46.38) ; v1(160.35,133.74) 160.18,133.57 J8#8.2 160.18,131.35 159.44,130.61 157.85,130.61 156.78,129.53 156.78,126.28 v1(156.77,126.28) ; U3#3.27 v1(37.84,106.91) ; U3#8.27 v1(146.53,19.55) ; v1(160.35,46.38) 160.18,46.21 J8#3.2 160.18,43.99 159.44,43.25 157.85,43.25 156.78,42.17 156.78,38.92 v1(156.77,38.92) ; U3#9.27 v1(37.84,19.55) ; U3#6.27 v1(146.53,63.23) ; U3#2.27 v1(146.53,106.91) ; 92.19,21.49 v1(92.19,19.55) ; v1(106,90.06) 105.83,89.89 J8#5.2 105.83,87.67 105.09,86.93 103.5,86.93 102.43,85.85 102.43,82.6 v1(102.42,82.6) ; v1(160.35,90.06) 160.18,89.89 J8#6.2 160.18,87.67 159.44,86.93 157.85,86.93 156.78,85.85 156.78,82.6 v1(156.77,82.6) ; 92.19,65.17 v1(92.19,63.23) ; U3#4.27 v1(37.84,63.23)